# Altium PCB STM32F427IIH6.PcbDoc (part 2 of 3)
Units mil, origin at the board's own origin, x right, y up, seen from the top; angles counter-clockwise.
Board outline 2283.46 x 3346.46 mil, 4 copper layers (Top Layer, GND, PWR, Bottom Layer), stack 23.756 mil thick; 202 components, 172 nets, 878 pads, 536 vias.
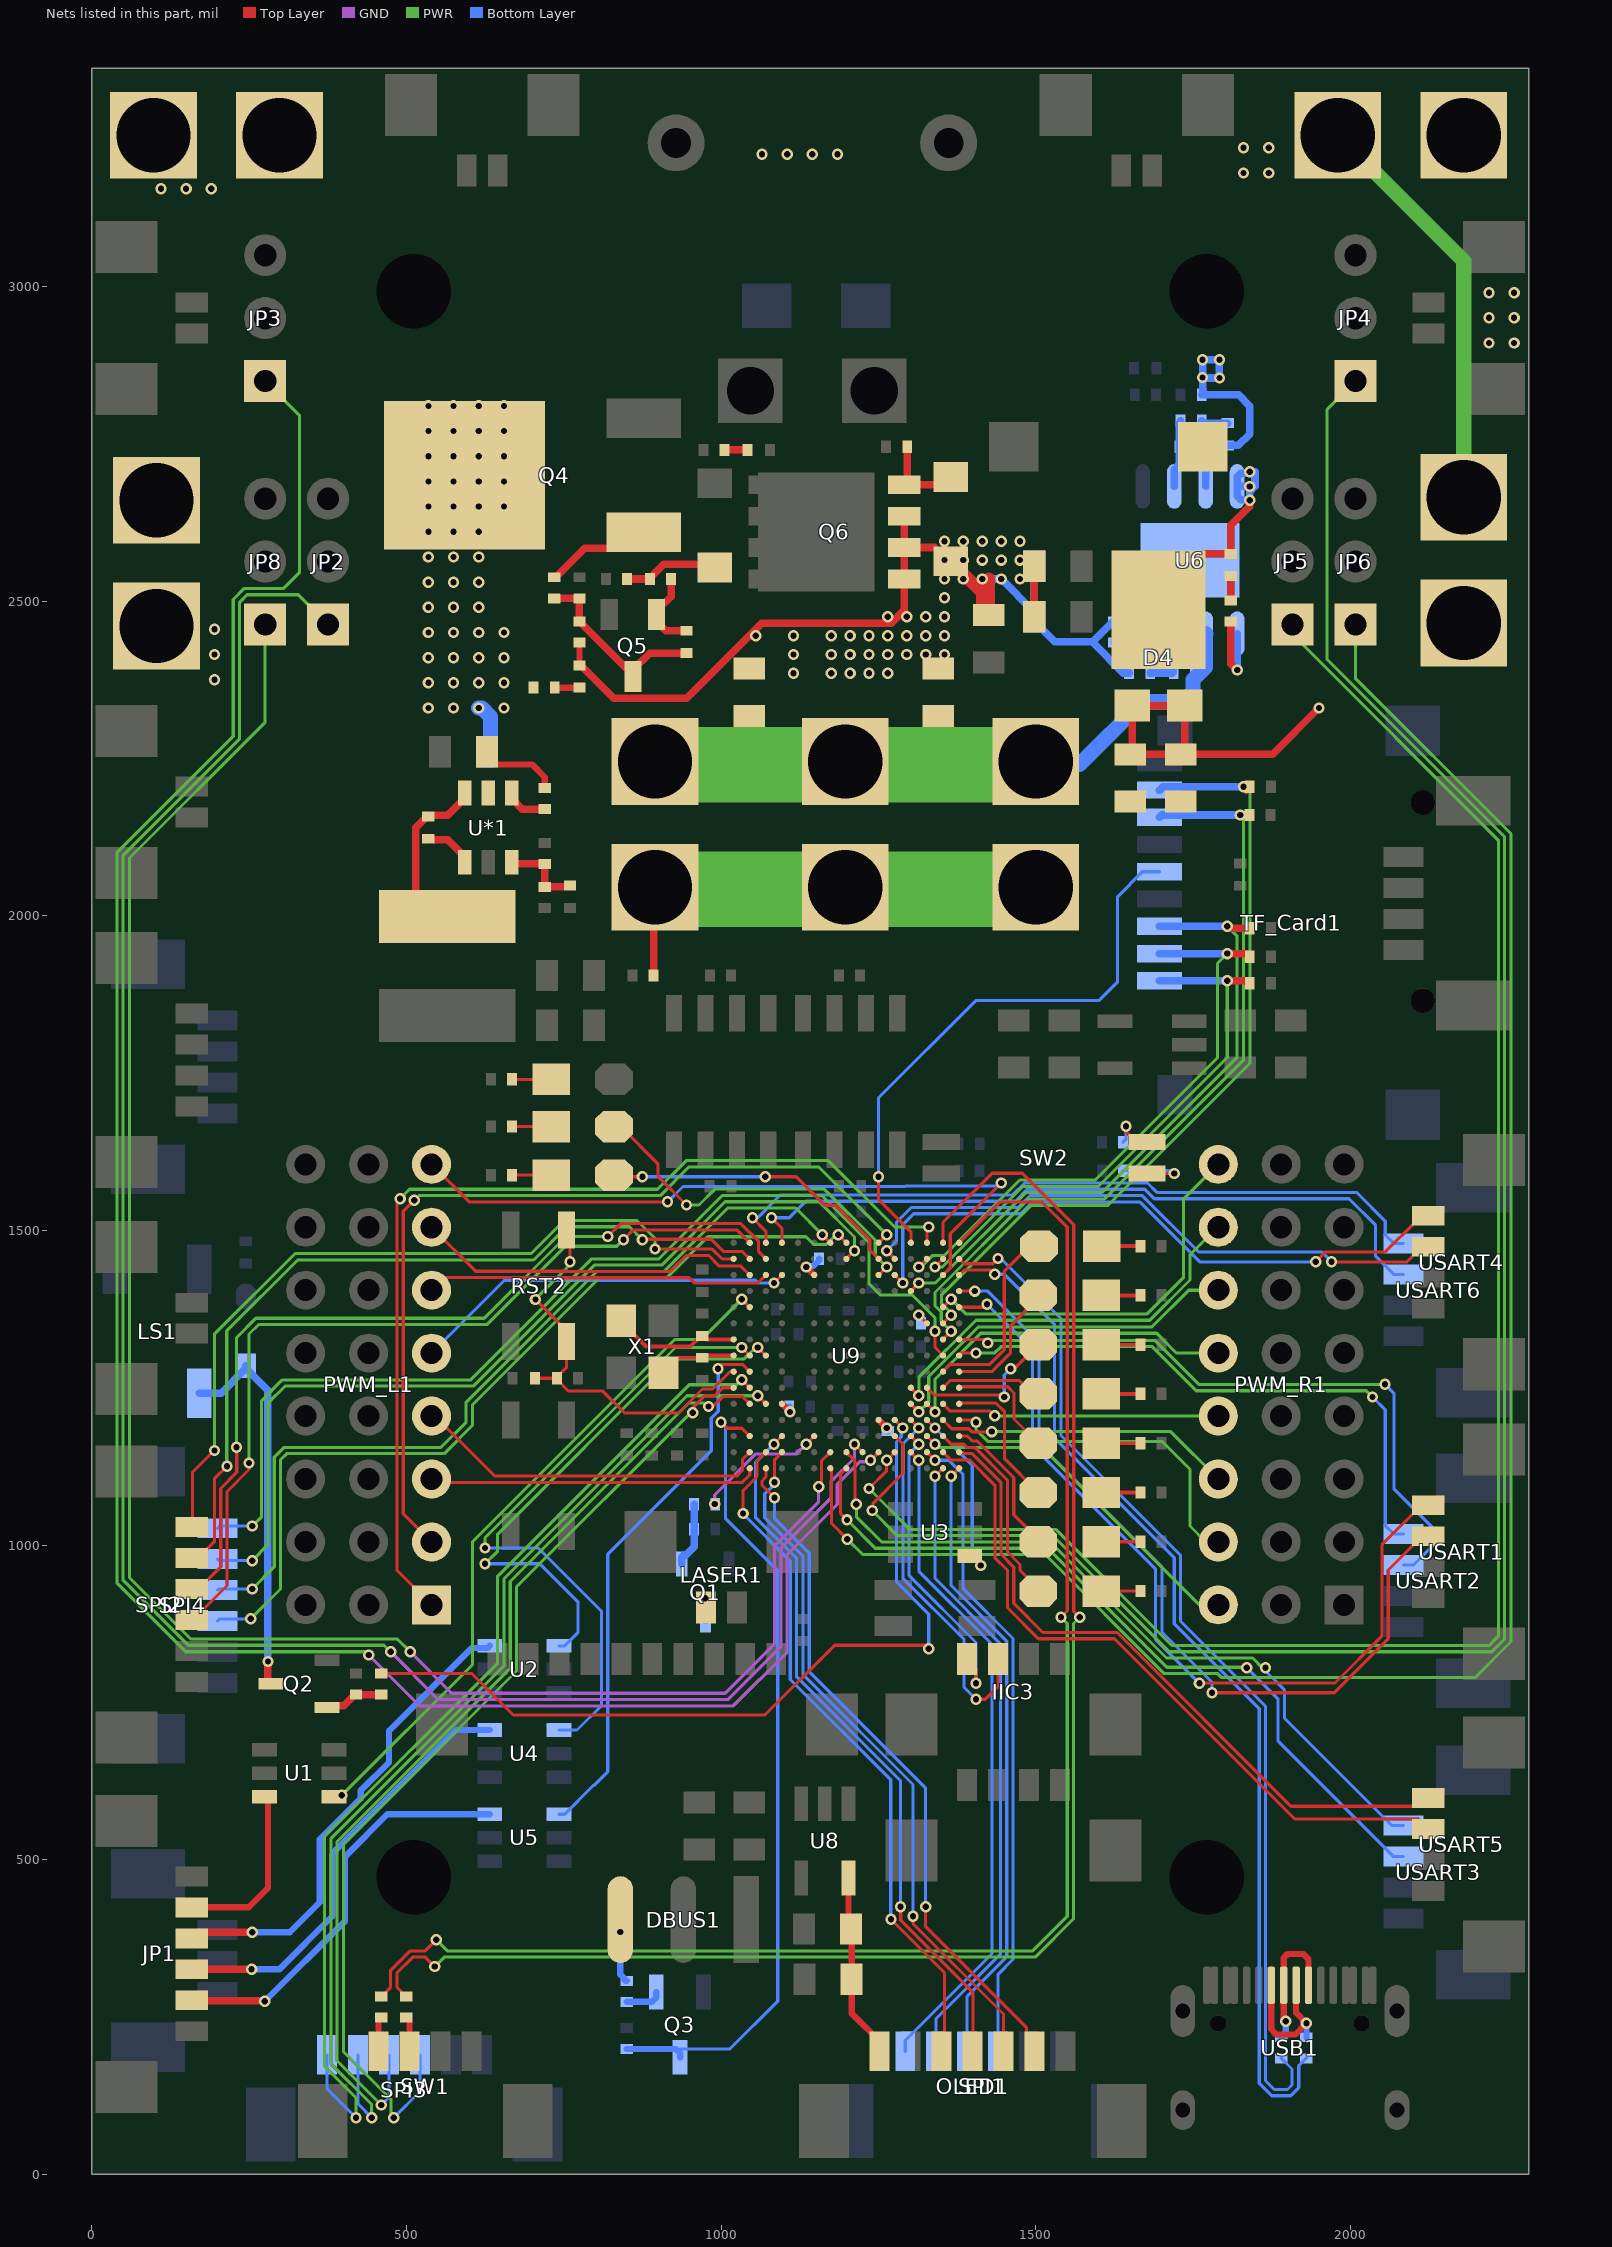
[diagram p4: the nets of this part, all layers, seen from the top]

## Via types
v1: diameter 18, hole 10, Top Layer to Bottom Layer, tented both sides, 536 vias

## Nets (pads, with @x,y where several pads share a name; then routed paths per layer and width w, separated by ;. In a path a pad name is that pad's centre, name@x,y a point inside that pad or via, vN(x,y) a via of type N, cw(c..) or ccw(c..) an arc to the next point about the centre after c; other vN are vias at no path point) (continued)
I2C3_SCL/PH7: IIC3.1 U9.N12 | length 493.3
  Top Layer w5: U9.N12@1301.5,1173.23 v1(1314.29,1160.43) ; IIC3.1@1390.64,819 1405,804.64 v1(1405,780.32)
  Bottom Layer w5: v1(1314.29,1160.43) 1298.79,1144.93 1298.79,951.52 1405,845.31 v1(1405,780.32)
I2C3_SDA/PH8: IIC3.2 U9.M12 | length 595
  Top Layer w5: U9.M12@1301.5,1198.82 v1(1314.29,1186.02) ; v1(1405,755) 1420,755 1439.85,774.85 IIC3.2@1439.85,819
  Bottom Layer w5: v1(1314.29,1186.02) 1288.79,1160.52 1288.79,947.38 1386.2,849.97 1386.2,773.8 v1(1405,755)
LASER(PF13): R11.1 U9.N6 | length 211
  Top Layer w5: v1(1135.16,1160.43) U9.N6@1147.95,1173.23
  GND w5: v1(990,1065.31) 990,1079.55 1055.38,1144.93 1119.66,1144.93 v1(1135.16,1160.43)
LED/PD10: LED2.2 U9.N15 | length 232.3
  Top Layer w5: U9.N15@1378.27,1173.23 1391.02,1173.23 1398.94,1165.31 1407.11,1165.31 1465,1107.43 1465,1048.25 1504,1009.25 LED2.2@1504,1005.29
LED/PD11: LED1.2 U9.N14 | length 327.9
  Top Layer w5: U9.N14@1352.68,1173.23 1365.59,1160.31 1385.54,1160.31 1390.54,1155.31 1402.97,1155.31 1455,1103.28 1455,989.14 1475,969.14 1475,959.96 1504,930.96 LED1.2@1504,927
LED/PG2: LED3.2 U9.L15 | length 229
  Top Layer w5: U9.L15@1378.27,1224.41 1379.67,1225.81 1436.42,1225.81 1450.5,1211.74 1450.5,1137.07 LED3.2@1504,1083.57
LED/PG3: LED4.2 U9.K15 | length 187.7
  Top Layer w5: U9.K15@1378.27,1250 1379.77,1251.5 1455.74,1251.5 1465.5,1241.74 1465.5,1200.36 LED4.2@1504,1161.86
LED/PG4: LED5.2 U9.K14 | length 164.9
  Top Layer w5: U9.K14@1352.68,1250 1364.18,1261.5 1473.81,1261.5 1495.17,1240.14 LED5.2@1504,1240.14
LED/PG5: LED6.2 U9.K13 | length 237.9
  Top Layer w5: U9.K13@1327.09,1250 1338.59,1238.5 1446.81,1238.5 v1(1450,1235.31) ; v1(1460,1280.31) 1465.89,1280.31 LED6.2@1504,1318.43
  Bottom Layer w5: v1(1450,1235.31) 1450,1270.31 v1(1460,1280.31)
LED/PG6: LED7.2 U9.J15 | length 203.7
  Top Layer w5: U9.J15@1378.27,1275.59 1430.28,1275.59 1460,1305.31 1460,1348.75 1504,1392.75 LED7.2@1504,1396.71
LED/PG7: LED8.2 U9.J14 | length 308.1
  Top Layer w5: U9.J14@1352.68,1275.59 1364.18,1287.09 1426.78,1287.09 1450,1310.31 1450,1423.39 1450.5,1423.89 1450.5,1435.81 1489.69,1475 LED8.2@1505,1475
LED/PG9: LED9.2 U9.C10 | length 590.6
  Top Layer w5: LED9.2@830,1665 840.31,1665 900,1605.31 900,1585.31 v1(945,1540.31) ; U9.C10@1250.31,1429.13 v1(1263.11,1441.93)
  PWR w5: v1(945,1540.31) 965,1540.31 990.19,1565.5 1164.15,1565.5 1245,1484.65 1245,1460.04 v1(1263.11,1441.93)
LED/PG10: LED10.2 U9.B10 | length 485
  Top Layer w5: LED10.2@830,1587.82 832.5,1585.31 v1(875,1585.31) ; v1(1070,1585.31) 1119.69,1585.31 1165,1540 1181.3,1540 1236.22,1485.08 1236.22,1468.82 U9.B10@1250.31,1454.72
  Bottom Layer w5: v1(875,1585.31) v1(1070,1585.31)
LEVEL5V/PF0: U1.4 U9.E2 | length 1094.4
  Top Layer w5: v1(1032.79,1390.75) U9.E2@1045.59,1377.95
  PWR w5: v1(397.5,602.5) 605,810 605,1005.52 925.96,1326.48 968.52,1326.48 v1(1032.79,1390.75)
LEVEL5V/PF1: U2.4 U9.H3 | length 869.7
  Top Layer w5: v1(1058.39,1313.98) U9.H3@1071.18,1301.18
  PWR w5: v1(625,970.31) 645,990.31 645,1017.24 923.58,1295.81 1036.55,1295.81 1049.88,1309.14 1050.04,1309.14 1054.87,1313.98 v1(1058.39,1313.98)
  Bottom Layer w5: v1(625,970.31) 712.19,970.31 772.5,910 772.5,860.93 751.48,839.9 U2.4@742.62,839.9
LEVEL5V/PF2: U4.4 U9.H2 | length 1027.3
  Top Layer w5: v1(1032.79,1313.98) U9.H2@1045.59,1301.18
  PWR w5: v1(625,995.31) 625,1011.38 927.6,1313.98 v1(1032.79,1313.98)
  Bottom Layer w5: v1(625,995.31) 709.69,995.31 810,895 810,745 771.15,706.15 U4.4@742.62,706.15
LEVEL5V/PF3: U5.4 U9.J2 | length 876.8
  Top Layer w5: v1(995,1280.31) 1001.78,1287.09 1034.09,1287.09 U9.J2@1045.59,1275.59
  Bottom Layer w5: U5.4@742.62,572.4 751.48,572.4 797.28,618.2 798.2,618.2 820,640 820,985.31 984.5,1149.81 984.5,1201.74 995.5,1212.74 995.5,1279.81 v1(995,1280.31)
Net1_1: 1.1 R45.2 | length 62.3
  Top Layer w5: R45.2@667.71,1740 1.1@730,1740
NetC7_1: C7.1 Q5.3 R28.1 R29.1 R33.2 | length 296.6
  Top Layer w12: R28.1@735,2504.25 R29.1@775,2504.25 775,2465.75 776.97,2465.75 855.95,2386.77 860,2382.72 Q5.3@860,2380 ; Q5.3@860,2390.83 886.46,2417.28 C7.1@945,2417.28
NetC7_2: C7.2 Q5.1 R31.1 | length 134
  Top Layer w12: R31.1@920.75,2535 920.75,2507.16 910.6,2497.01 905.18,2497.01 897.4,2489.23 Q5.1@897.4,2478.4 897.4,2467.57 912.26,2452.71 C7.2@945,2452.71
NetC8_2: C8.2 R27.1 | length 36.5
  Top Layer w12: R27.1@1005.75,2740 C8.2@1042.29,2740
NetC9_2: C9.2 R30.1 | length 39.3
  Top Layer w10: R30.1@735.75,2362.5 735.86,2362.39 774.89,2362.39 C9.2@775,2362.29
NetC10_1: C10.1 R34.1 | length 38.8
  Top Layer w12: R34.1@1810,2500.75 C10.1@1810,2539.57
NetC10_2: C10.2 D4.3 L1.1 U6.8 | length 421.5
  Top Layer w12: D4.3@1695,2486.1 1755,2546.1 1755,2562.67 1767.33,2575 C10.2@1810,2575 1810,2620.37 1840,2650.37 v1(1840,2660)
  Bottom Layer w12: U6.8@1820,2682 v1@1848.31,2682 ; U6.8@1820,2682 1820,2666.35 1825.37,2660.98 1839.02,2660.98 v1(1840,2660) 1840,2673.69 v1@1848.31,2682 ; U6.8@1820,2682 1820,2697.65 1825.37,2703.02 1846.02,2703.02 1848.31,2705.31 v1@1848.31,2682
  other v1: 1840,2682 1840,2705.31
NetC17_1: C17.1 R37.1 | length 43.7
  Bottom Layer w12: R37.1@1763.69,2786.25 1763.69,2784.59 1765.57,2782.72 C17.1@1805,2782.72
NetC20_1: C20.1 R37.2 U6.6 | length 108.5
  Bottom Layer w12: U6.6@1720,2682 1720,2708.77 1728.26,2717.03 C20.1@1728.26,2745 1728.26,2782.32 1730.23,2784.28 R37.2@1730.23,2786.25
NetC21_1: C21.1 U*1.1 | length 78.3
  Top Layer w12: C21.1@535,2122.28 536.87,2120.41 565.93,2120.41 592.6,2093.74 U*1.1@592.6,2084.88
NetC21_2: C21.2 L2.1 U*1.6 | length 275.2
  Top Layer w12: L2.1@565,1998.74 551.48,1998.74 515.16,2035.06 515.16,2139.84 533.03,2157.71 C21.2@535,2157.71 536.88,2159.59 565.92,2159.59 592.6,2186.26 U*1.6@592.6,2195.12
NetC22_1: C22.1 R43.1 R44.2 U*1.3 | length 131
  Top Layer w12: U*1.3@667.4,2084.88 670,2082.29 R44.2@720,2082.29 720,2050.75 R43.1@720,2045.75 756.07,2045.75 758.03,2047.72 C22.1@760,2047.72
NetC52_1: C52.1 U9.M10 | length 23.8
  Top Layer w10: U9.M10@1250.31,1198.82 v1(1263.11,1186.02)
  Bottom Layer w10: v1(1263.11,1186.02) 1265,1184.13 C52.1@1265,1181.1
NetC53_1: C53.1 U9.F13 | length 18.1
  Top Layer w5: v1(1314.29,1365.16) U9.F13@1327.09,1352.36
NetD1_1: D1.1 LS1.2 Q2.3 | length 612
  Top Layer w12: v1(280,815) 280,784.07 Q2.3@284.47,779.6
  Bottom Layer w12: LS1.2@170.96,1241.58 205.64,1241.58 D1.1@245,1280.94 ; D1.1@245,1284.88 D1.1@245,1280.94 ; v1(280,815) 280,1245.94 D1.1@245,1280.94
NetD2_1: D2.1 R26.1 R31.2 | length 152.2
  Top Layer w12: R26.1@850.75,2535 R31.2@887.29,2535 887.29,2536.97 908.63,2558.31 984.76,2558.31 D2.1@990,2553.07
NetD3_1: D3.1 Q6.4 R32.1 | length 140.9
  Top Layer w12: R32.1@1295.75,2745 1295.75,2689.75 Q6.4@1291,2685 1353.07,2685 D3.1@1365,2696.93
NetDBUS1_3: DBUS1.3 R13.2 | length 112.9
  Top Layer w10: v1(840,385.31) DBUS1.3@840,405 DBUS1.3@840,415.31
  Bottom Layer w10: v1(840,385.31) 840,317.71 845.15,312.56 845.15,310.59 848.03,307.71 R13.2@850,307.71
NetJP1_2: JP1.2 U1.3 | length 281.1
  Top Layer w10: JP1.2@159,424.36 249.36,424.36 280,455 280,594.77 U1.3@274.58,600.2
NetJP1_3: JP1.3 U2.3 | length 761.1
  Top Layer w12: JP1.3@159,375.15 168.85,385 v1(255,385)
  Bottom Layer w10: v1(255,385) 315,385 362.5,432.5 362.5,532.5 427.5,597.5 427.5,610 472.5,655 472.5,705 604.03,836.53 629.01,836.53 U2.3@632.38,839.9
NetJP1_4: JP1.4 U4.3 | length 689.5
  Top Layer w12: JP1.4@159,325.94 v1(254.06,325.94)
  Bottom Layer w10: v1(254.06,325.94) 298.44,325.94 382.5,410 382.5,510 578.65,706.15 U4.3@632.38,706.15
NetJP1_5: JP1.5 U5.3 | length 657.3
  Top Layer w12: JP1.5@159,276.72 159.72,276 274,276 v1(275,275)
  Bottom Layer w10: v1(275,275) 402.5,402.5 402.5,505 469.9,572.4 U5.3@632.38,572.4
NetLASER1_2: LASER1.2 Q1.3 | length 49.3
  Top Layer w12: v1(975,915.31) 975,901.94 LASER1.2@975.94,901
  Bottom Layer w12: Q1.3@975,880.71 v1(975,915.31)
NetLED1_1: LED1.1 R16.2 | length 62.5
  Top Layer w5: LED1.1@1604,927 R16.2@1666.54,927
NetLED2_1: LED2.1 R17.2 | length 62.5
  Top Layer w6: LED2.1@1604,1005.29 R17.2@1666.54,1005.29
NetLED3_1: LED3.1 R18.2 | length 62.5
  Top Layer w6: LED3.1@1604,1083.57 R18.2@1666.54,1083.57
NetLED4_1: LED4.1 R19.2 | length 62.5
  Top Layer w6: LED4.1@1604,1161.86 R19.2@1666.54,1161.86
NetLED5_1: LED5.1 R20.2 | length 62.5
  Top Layer w6: LED5.1@1604,1240.14 R20.2@1666.54,1240.14
NetLED6_1: LED6.1 R21.2 | length 62.5
  Top Layer w6: LED6.1@1604,1318.43 R21.2@1666.54,1318.43
NetLED7_1: LED7.1 R22.2 | length 62.5
  Top Layer w6: LED7.1@1604,1396.71 R22.2@1666.54,1396.71
NetLED8_1: LED8.1 R23.2 | length 61.5
  Top Layer w6: LED8.1@1605,1475 R23.2@1666.54,1475
NetLED9_1: LED9.1 R24.2 | length 62.3
  Top Layer w5: R24.2@667.71,1665 LED9.1@730,1665
NetLED10_1: LED10.1 R25.2 | length 62.3
  Top Layer w5: R25.2@667.71,1587.82 LED10.1@730,1587.82
NetQ1_1: Q1.1 R11.2 R14.2 | length 105.1
  Bottom Layer w12: Q1.1@937.6,970 937.6,980.83 940.46,983.69 943.82,983.69 957.29,997.15 R14.2@957.29,1025 R11.2@957.29,1065
NetQ2_1: Q2.1 R12.2 R15.2 | length 94.6
  Top Layer w12: Q2.1@373.76,742.19 376.62,745.05 400.79,745.05 418.03,762.29 R15.2@420,762.29 R12.2@460,762.29
NetQ3_1: Q3.1 R13.1 | length 58.8
  Bottom Layer w10: R13.1@850,274.25 890.19,274.25 897,281.06 Q3.1@897,290
NetQ4_1: Q4.1 R28.2 | length 172.1
  Top Layer w12: R28.2@735,2537.71 736.97,2537.71 783.23,2583.97 851.9,2583.97 Q4.1@877.4,2609.47
NetR34_2: R34.2 U6.1 | length 138.8
  Top Layer w12: R34.2@1810,2467.29 1810,2400.32 v1(1820,2390.32)
  Bottom Layer w12: v1(1820,2390.32) U6.1@1820,2448
NetR36_1: R36.1 R40.2 U6.3 | length 98.9
  Bottom Layer w12: R40.2@1681.84,2385.59 1717.13,2385.59 1718.56,2387.03 1718.56,2446.56 U6.3@1720,2448
NetR38_1: R38.1 U6.4 | length 55.6
  Bottom Layer w12: R38.1@1625,2434.25 1664.63,2434.25 1670,2439.62 U6.4@1670,2448
NetR42_1: R42.1 U*1.4 | length 68.5
  Top Layer w12: U*1.4@667.4,2195.12 667.4,2186.26 684.41,2169.25 R42.1@720,2169.25
NetR46_1: R46.1 SW1.1 | length 56.3
  Top Layer w10: SW1.1@455.62,195.65 455.62,246.37 458.49,249.25 R46.1@459.98,249.25
NetR47_1: R47.1 SW1.2 | length 56.8
  Top Layer w10: R47.1@499.98,249.25 501.95,249.25 504.83,246.37 SW1.2@504.83,195.65
NetR50_1: R50.1 SW2.4 | length 75.9
  Top Layer w5: v1(1643.24,1665.31) 1643.24,1656.76 1659.69,1640.31 SW2.4@1676.47,1640.31
  Bottom Layer w5: R50.1@1638.46,1640 1643.24,1644.77 v1(1643.24,1665.31)
NetR52_1: R52.1 SW2.3 | length 127
  Top Layer w5: SW2.3@1676.47,1590.32 v1(1720,1590.32)
  Bottom Layer w5: R52.1@1638.46,1595 1711.8,1595 1716.48,1590.32 v1(1720,1590.32)
NetR53_2: R53.2 U9.C6 | length 45.2
  Top Layer w10: v1(1135.16,1441.93) U9.C6@1147.95,1429.13
  Bottom Layer w10: v1(1135.16,1441.93) 1136.69,1443.46 1146.54,1443.46 1155.83,1452.75 R53.2@1155.83,1454.72
NetR54_2: R54.2 U9.L4 | length 28.8
  Top Layer w10: U9.L4@1096.77,1224.41 v1(1109.57,1211.61)
  Bottom Layer w10: R54.2@1108.27,1220 1109.57,1218.7 v1(1109.57,1211.61) 1110,1211.18 v1@1110,1210
NRST: C55.1 R48.1 RST2.1 U9.J1 | length 654.5
  Top Layer w5: C55.1@704.21,1265 R48.1@739.25,1265 ; v1(705,1390.31) 743.01,1352.3 743.01,1334.81 RST2.1@754.29,1323.53 754.29,1282.01 739.25,1266.97 R48.1@739.25,1265 ; RST2.1@754.29,1500.69 760,1494.98 v1(760,1450.31) ; U9.J1@1020,1275.59 1014.21,1275.59 986.54,1247.91 970.47,1247.91 932.37,1209.81 846.98,1209.81 812.18,1244.61 757.67,1244.61 739.25,1263.03 R48.1@739.25,1265
  PWR w5: v1(705,1390.31) 760,1445.31 v1(760,1450.31)
OLED_CLK/PA5: OLED1.5 U9.P4 | length 1120.3
  Top Layer w5: v1(1085,1100) 1085,1135.87 U9.P4@1096.77,1147.64 ; v1(1305,410.31) 1305,398.6 1448.67,254.93 OLED1.5@1448.67,195.65
  Bottom Layer w5: v1(1085,1100) 1085,1096.92 1069.5,1081.42 1069.5,1043.24 1130,982.74 1130,794.66 1305,619.66 v1(1305,410.31)
OLED_DC/PA4: OLED1.4 U9.N4 | length 1142.1
  Top Layer w5: v1(1083.98,1160.43) U9.N4@1096.77,1173.23 ; v1(1285,425.31) 1285.5,424.81 1285.5,403.96 1400,289.46 1400,205.11 1395,200.11 OLED1.4@1399.46,195.65
  Bottom Layer w5: v1(1083.98,1160.43) 1054.5,1130.96 1054.5,1044.1 1120,978.6 1120,790.52 1285,625.52 v1(1285,425.31)
OLED_MOSI/PA7: OLED1.6 U9.R3 | length 1108.3
  Top Layer w5: U9.R3@1071.18,1122.05 1071.18,1108.1 1065,1101.92 1065,1095 v1(1085,1075) ; v1(1325,425.31) 1325,393.78 1485.07,233.72 1485.07,225.25 1497.88,212.43 OLED1.6@1497.88,195.65
  Bottom Layer w5: v1(1085,1075) 1085,1041.88 1140,986.88 1140,798.8 1325,613.8 v1(1325,425.31)
OLED_RST/PA6: OLED1.3 U9.P3 | length 1105.8
  Top Layer w5: v1(1035,1050.31) 1035,1086.71 1057.09,1108.8 1057.09,1133.55 U9.P3@1071.18,1147.64 ; v1(1270,405.31) 1355,320.31 1355,210.9 1345,200.9 OLED1.3@1350.24,195.65
  Bottom Layer w5: v1(1035,1050.31) 1035,1049.46 1110,974.46 1110,786.38 1269.5,626.88 1269.5,405.81 v1(1270,405.31)
OSC_IN: C56.1 U9.G1 X1.3 | length 205.9
  Top Layer w6: X1.3@841.54,1356.34 841.54,1354.37 880.59,1315.31 951.06,1315.31 968.03,1332.28 C56.1@970,1332.28 975.51,1326.77 U9.G1@1020,1326.77
OSC_OUT: C59.1 U9.H1 X1.1 | length 122.9
  Top Layer w6: X1.1@908.46,1273.66 932.52,1297.72 C59.1@970,1297.72 971.97,1297.72 975.43,1301.18 U9.H1@1020,1301.18
PF14: JP6.1 U9.R7 | length 3011.3
  Top Layer w5: U9.R7@1173.54,1122.05 1175.5,1120.09 1175.5,1034.5 v1(1200.64,1009.36)
  PWR w5: v1(1200.64,1009.36) 1225,985 1515,985 1704.19,795.81 1789.24,795.81 1795.56,789.5 2197.78,789.5 2255,846.72 2255,881.72 2255,2130 2007.87,2377.13 JP6.1@2007.87,2462.64
PF15: JP8.1 U9.P7 | length 3078.6
  Top Layer w5: v1(1155,1092.5) 1155,1095.31 1159.45,1099.77 1159.45,1133.55 U9.P7@1173.54,1147.64
  GND w5: v1(505.96,830.31) 571.78,764.5 1006.42,764.5 1085,843.08 1085,999.14 1155,1069.14 v1(1155,1092.5)
  PWR w5: JP8.1@275.59,2462.64 275.59,2307.31 60,2091.72 60,948.28 157.47,850.81 485.46,850.81 v1(505.96,830.31)
PGND: C5.2 C6.2 C9.1 C11.1 C13.1 C14.1 C15.1 C16.1 C17.2 C18.1 C19.1 C20.2 D3.2 D4.1 D4.2 Q6.1 Q6.2 Q6.3 R33.1 R38.2 R39.1 R40.1 R41.2 U6.7 U6.9 VCC1.1 VCC2.1 VCC3.1 VCC4.1 VCC5.1 VCC6.1 VCC7.1 | length 3394
  Top Layer w10: C9.1@775.01,2397.72 R33.1@775,2434.25
  Top Layer w12: C9.1@775.01,2397.72 776.97,2397.72 829.3,2345.39 945.39,2345.39 1065,2465 1270,2465 1291,2486 Q6.1@1291,2535 Q6.2@1291,2585 ; R41.2@892.71,1905 892.71,2042.71 VCC3.1@895,2045 ; Q6.3@1291,2635 Q6.2@1291,2585 ; D3.2@1365,2563.07 1361.06,2563.07 1339.13,2585 Q6.2@1291,2585 ; C15.1@1497.6,2475 C11.1@1497.6,2555 ; v1(1950,2330) 1876.48,2256.48 C18.1@1730,2256.48 ; C18.1@1730,2256.48 1736.6,2263.08 D4.2@1736.6,2333.9 D4.1@1653.4,2333.9 1653.4,2259.88 C19.1@1650,2256.48 C18.1@1730,2256.48
  Top Layer w20: D3.2@1365,2563.07 1368.94,2563.07 1382.56,2549.45 1382.56,2545.51 1414.88,2513.19 1414.88,2482.52 C13.1@1420,2477.4 ; C13.1@1425,2477.4 1425,2535
  PWR w12: VCC5.1@1478.29,2041.71 VCC5.1@1480,2040
  PWR w120: VCC3.1@930.05,2041.71 VCC5.1@1478.29,2041.71
  Bottom Layer w12: v1(1415,2535) v1(1445,2535) 1445.1,2535 C16.1@1497.6,2482.5 ; C14.1@1497.6,2555 C16.1@1497.6,2482.5 ; R40.1@1648.38,2385.59 1639.17,2385.59 1590.31,2434.44 1590.31,2435 ; U6.9@1745,2565 1691.95,2511.95 1671.2,2511.95 1626.97,2467.71 1623.03,2467.71 1590.31,2435 ; v1@1765.65,2854.35 v1(1791.84,2854.35) v1(1791.84,2883.16) v1(1765,2883.16) v1(1765,2855) 1765,2828.81 R39.1@1763.69,2827.5 1822.19,2827.5 1840,2809.69 1840,2765.31 1821.97,2747.29 C17.2@1805,2747.29 1803.03,2747.29 1800.75,2745 C20.2@1763.69,2745 1763.69,2743.03 1770,2736.73 U6.7@1770,2682 ; C16.1@1497.6,2467.5 C16.1@1497.6,2482.5 ; C16.1@1497.6,2467.5 1530.1,2435 1590.31,2435 ; C16.1@1497.6,2467.5 C16.1@1497.6,2475 C16.1@1497.6,2482.5
  other v1: 1115,2385 1175,2385 1205,2385 1235,2385 1265,2385 1115,2415 1175,2415 1205,2415 1235,2415 1265,2415 1295,2415 1325,2415 1355,2415 1055,2445 1115,2445 1175,2445 1205,2445 1235,2445 1265,2445 1295,2445 1325,2445 1355,2445 1265,2475 1295,2475 1325,2475 1355,2475 1355,2505 1355,2535 1385,2535 1475,2535 1355,2565 1385,2565 1415,2565 1445,2565 1475,2565 1355,2595 1385,2595 1415,2595 1445,2595 1475,2595 1065,3210 1105,3210 1145,3210 1185,3210
PVIN: C5.1 C6.1 C18.2 C19.2 C25.2 C26.2 Q4.2 R30.2 R36.2 R42.2 U6.2 U*1.5 VCC1.2 VCC2.2 VCC3.2 VCC4.2 VCC5.2 VCC6.2 VCC7.2 | length 1839.9
  Top Layer w10: C26.2@628.4,2260.31 628.4,2252.81 640.9,2240.31 699.69,2240.31 720,2220 R42.2@720,2202.71
  PWR w24: VCC1.2@1980,3240 2180,3040 VCC6.2@2180,2665
  PWR w120: VCC3.2@930.05,2241.71 931.76,2240 VCC5.2@1480,2240
  Bottom Layer w24: v1(615,2330) 620,2330 633.9,2316.1 633.9,2265.82 C25.2@628.4,2260.32 ; VCC5.2@1480,2240 1569.69,2240 1669.69,2340 1734.69,2340 1750,2355.31 1750,2375 1769.81,2394.81 1769.81,2447.81 U6.2@1770,2448
  other v1: 535,2330 575,2330 655,2330 535,2370 575,2370 615,2370 655,2370 195,2375 535,2410 575,2410 615,2410 655,2410 195,2415 535,2450 575,2450 615,2450 655,2450 195,2455 535,2490 575,2490 615,2490 535,2530 575,2530 615,2530 535,2570 575,2570 615,2570 535,2610 575,2610 615,2610 535,2650 575,2650 615,2650 655,2650 535,2690 575,2690 615,2690 655,2690 535,2730 575,2730 615,2730 655,2730 535,2770 575,2770 615,2770 655,2770 535,2810 575,2810 615,2810 655,2810 2220,2910 2260,2910 2220,2950 2260,2950 2220,2990 2260,2990 110,3155 150,3155 190,3155 1830,3180 1870,3180 1830,3220 1870,3220
SDIO_CLK(PC12): TF_Card1.5 U9.A12 | length 926.1
  Top Layer w5: v1(1250,1585.31) 1250,1549.46 1301.5,1497.96 U9.A12@1301.5,1480.31
  Bottom Layer w5: v1(1250,1585.31) 1250,1710.31 1404.69,1865 1600,1865 1630,1895 1630,2030.31 1669.41,2069.72 TF_Card1.5@1696.61,2069.72
SDIO_CMD(PD2): R4.2 TF_Card1.3 U9.D12 | length 1031.3
  Top Layer w5: U9.D12@1301.5,1403.54 v1(1314.29,1416.34)
  Top Layer w12: v1(1804.33,1983.11) 1805.95,1983.11 1809.06,1980 R4.2@1840,1980
  PWR w5: v1(1314.29,1416.34) 1340.17,1416.34 1483.83,1560 1604.69,1560 1819.83,1775.15 1819.83,1967.61 v1(1804.33,1983.11)
  Bottom Layer w12: TF_Card1.3@1696.61,1983.11 v1(1804.33,1983.11)
SDIO_D0(PC8): R5.2 TF_Card1.7 U9.G14 | length 1269.9
  Top Layer w5: U9.G14@1352.68,1326.77 v1(1365.47,1339.57)
  Top Layer w12: v1(1824.81,2160) R5.2@1840,2160
  PWR w5: v1(1365.47,1339.57) 1349.88,1355.16 1349.88,1370.28 1339.97,1380.19 1339.97,1401.31 1488.66,1550 1609.69,1550 1829.83,1770.15 1829.83,2154.98 v1(1824.81,2160)
  Bottom Layer w12: TF_Card1.7@1696.61,2156.34 1700.28,2160 v1(1824.81,2160)
SDIO_D1(PC9): R6.2 TF_Card1.8 U9.F14 | length 1293.6
  Top Layer w5: U9.F14@1352.68,1352.36 v1(1365.47,1365.16)
  Top Layer w12: v1(1830,2205) 1830,2204.29 1834.65,2199.65 R6.2@1840,2205
  PWR w5: v1(1365.47,1365.16) 1365.47,1368.83 1349.97,1384.33 1349.97,1397.17 1492.8,1540 1614.69,1540 1840.31,1765.62 1840.31,2194.69 v1(1830,2205)
  Bottom Layer w12: TF_Card1.8@1696.61,2199.65 1701.97,2205 v1(1830,2205)
SDIO_D2(PC10): R2.2 TF_Card1.1 U9.B14 | length 888.3
  Top Layer w5: v1(1339.88,1441.93) U9.B14@1352.68,1454.72
  Top Layer w12: v1(1804.33,1896.5) 1833.51,1896.5 R2.2@1840,1890
  PWR w5: v1(1339.88,1441.93) 1351.61,1441.93 1479.69,1570 1599.69,1570 1804.33,1774.65 v1(1804.33,1896.5)
  Bottom Layer w12: TF_Card1.1@1696.61,1896.5 v1(1804.33,1896.5)
SDIO_D3(PC11): R3.2 TF_Card1.2 U9.B13 | length 947.7
  Top Layer w5: v1(1314.29,1441.93) U9.B13@1327.09,1454.72
  Top Layer w12: v1(1804.33,1939.8) 1835.2,1939.8 R3.2@1840,1935
  PWR w5: v1(1314.29,1441.93) 1317.96,1441.93 1336.35,1460.31 1355,1460.31 1474.69,1580 1594.69,1580 1788.83,1774.15 1788.83,1924.3 v1(1804.33,1939.8)
  Bottom Layer w12: TF_Card1.2@1696.61,1939.8 v1(1804.33,1939.8)
SPI2_MISO/PB14: SPI1.5 U9.R14 | length 1017
  Top Layer w5: v1(1339.88,1109.25) U9.R14@1352.68,1122.05
  Bottom Layer w5: v1(1339.88,1109.25) 1339.88,947.15 1443.8,843.23 1443.8,349.97 1341.72,247.9 SPI1.5@1341.72,195.65
SPI2_MOSI/PB15: SPI1.4 U9.R15 | length 994.3
  Top Layer w5: v1(1365.47,1109.25) U9.R15@1378.27,1122.05
  Bottom Layer w5: v1(1365.47,1109.25) 1365.47,935.7 1453.8,847.37 1453.8,345.83 1390.94,282.97 SPI1.4@1390.94,195.65
SPI2_NSS/PB12: SPI1.6 U9.P12 | length 1062.6
  Top Layer w5: U9.P12@1301.5,1147.64 v1(1314.29,1134.84)
  Bottom Layer w5: SPI1.6@1292.51,195.65 1292.51,212.83 1430.5,350.81 1430.5,842.39 1314.29,958.6 v1(1314.29,1134.84)
SPI2_SCK/PB13: SPI1.3 U9.P13 | length 1031.2
  Top Layer w5: U9.P13@1327.09,1147.64 v1(1339.88,1134.84)
  Bottom Layer w5: v1(1339.88,1134.84) 1361.8,1134.84 1384.5,1112.14 1384.5,930.81 1463.8,851.51 1463.8,341.69 1440.15,318.04 SPI1.3@1440.15,195.65
SPI4_CLK/PE2: SPI2.4 U9.A2 | length 1365.5
  Top Layer w5: SPI2.4@159,880.94 160.32,880.94 215,935.62 215,1085 250,1120 v1(250,1130.31) ; v1(845,1485.31) 860.5,1500.81 1025.09,1500.81 U9.A2@1045.59,1480.31
  PWR w5: v1(250,1130.31) 250,1335.31 265,1350.31 627.74,1350.31 752.24,1474.81 834.5,1474.81 v1(845,1485.31)
SPI4_MISO/PE5: SPI2.2 U9.B2 | length 1311.5
  Top Layer w5: SPI2.2@159,979.36 169.05,979.36 195,1005.31 195,1105.31 v1(215,1125.31) ; v1(875,1485.31) 875.5,1485.81 984.5,1485.81 1004.09,1466.22 1034.09,1466.22 U9.B2@1045.59,1454.72
  PWR w5: v1(215,1125.31) 214.5,1125.81 214.5,1340.36 327.18,1453.03 702.18,1453.03 754.96,1505.81 854.5,1505.81 v1(875,1485.31)
SPI4_MOSI/PE6: SPI2.3 U9.B3 | length 1384.5
  Top Layer w5: SPI2.3@159,930.15 169.83,930.15 205,965.31 205,1090 230.5,1115.5 230.5,1154.81 v1(230,1155.31) ; v1(820,1490.31) 840.5,1510.81 1031.35,1510.81 1059.68,1482.49 1059.68,1466.22 U9.B3@1071.18,1454.72
  PWR w5: v1(230,1155.31) 230,1329.46 260.86,1360.31 623.6,1360.31 753.6,1490.31 v1(820,1490.31)
SPI4_NSS/PE4: SPI2.1 U9.B1 | length 1268.7
  Top Layer w5: SPI2.1@159,1028.57 168.26,1028.57 160,1036.83 160,1115.31 v1(195,1150.31) ; v1(895,1470.31) 985.86,1470.31 1001.45,1454.72 U9.B1@1020,1454.72
  PWR w5: v1(195,1150.31) 195,1335 323.03,1463.03 698.03,1463.03 750.81,1515.81 866.42,1515.81 895,1487.24 v1(895,1470.31)
SPI5_MISO/PF8: SPI3.5 U9.L3 | length 1647.6
  Top Layer w5: v1(1058.39,1237.21) U9.L3@1071.18,1224.41
  PWR w5: v1(445,90.31) 444.5,90.81 444.5,111.67 380,176.17 380,533.28 655,808.28 655,946.38 945.83,1237.21 v1(1058.39,1237.21)
  Bottom Layer w5: SPI3.5@423.15,190 423.15,112.17 v1(445,90.31)
SPI5_MOSI/PF9: SPI3.4 U9.L2 | length 1571.2
  Top Layer w5: v1(980,1220.31) 987.22,1220.31 1002.82,1235.91 1034.09,1235.91 U9.L2@1045.59,1224.41
  PWR w5: v1(460,110.31) 390,180.31 390,529.14 665,804.14 665,942.24 948.58,1225.81 974.5,1225.81 v1(980,1220.31)
  Bottom Layer w5: v1(460,110.31) 472.36,122.68 SPI3.4@472.36,190
SPI5_NSS/PF6: SPI3.6 U9.K2 | length 1648.8
  Top Layer w5: v1(1032.79,1262.8) U9.K2@1045.59,1250
  PWR w5: v1(420,90.31) 420,122.03 370,172.03 370,537.43 645,812.43 645,950.52 949.3,1254.81 1024.81,1254.81 v1(1032.79,1262.8)
  Bottom Layer w5: SPI3.6@373.94,190 373.94,136.38 v1(420,90.31)
SPI5_SCK/PF7: SPI3.3 U9.K1 | length 1588
  Top Layer w5: v1(955,1210.31) 955,1218.3 974.61,1237.91 990.68,1237.91 1002.76,1250 U9.K1@1020,1250
  PWR w5: v1(480,90.31) 475.5,94.81 475.5,119.5 400,195 400,525 675,800 675,933.6 951.72,1210.31 v1(955,1210.31)
  Bottom Layer w5: v1(480,90.31) 521.57,131.89 SPI3.3@521.57,190
SPI6_CLK/PG13: SPI4.3 U9.A8 | length 1408.1
  Top Layer w5: v1(1186.34,1493.11) U9.A8@1199.13,1480.31
  PWR w5: v1(252.5,882.81) 300,930.31 300,1135.31 310,1145.31 560,1145.31 605,1190.31 605,1222.89 806.93,1424.81 913.85,1424.81 979.03,1490 1134.91,1490 1147.3,1477.61 1167.17,1477.61 1182.67,1493.11 v1(1186.34,1493.11)
  Bottom Layer w5: SPI4.3@200,879.21 203.6,882.81 v1(252.5,882.81)
SPI6_MISO/PG12: SPI4.5 U9.B8 | length 1444.4
  Top Layer w5: U9.B8@1199.13,1454.72 v1(1211.93,1467.52)
  PWR w5: v1(255,975.31) 280,1000.31 280,1225.31 307.19,1252.5 606.33,1252.5 798.64,1444.81 905.56,1444.81 1006.25,1545.5 1155.87,1545.5 1211.93,1489.44 v1(1211.93,1467.52) v1@1212.21,1467.52
  Bottom Layer w5: SPI4.5@200,977.64 202.32,975.31 v1(255,975.31)
SPI6_MOSI/PG14: SPI4.4 U9.A7 | length 1368.4
  Top Layer w5: v1(1160.75,1493.11) U9.A7@1173.54,1480.31
  PWR w5: v1(255,930.31) 290,965.31 290,1139.46 305.86,1155.31 555,1155.31 595,1195.31 595,1227.03 802.78,1434.81 909.7,1434.81 1010.39,1535.5 1118.36,1535.5 v1(1160.75,1493.11)
  Bottom Layer w5: SPI4.4@200,928.43 201.89,930.31 v1(255,930.31)
SPI6_NSS/PG8: SPI4.6 U9.H14 | length 1651.6
  Top Layer w5: v1@1340,1340.31 1340,1313.86 U9.H14@1352.68,1301.18
  PWR w5: v1(255,1030.31) 270,1045.31 270,1229.46 303.04,1262.5 602.19,1262.5 794.5,1454.81 901.42,1454.81 1002.11,1555.5 1160.01,1555.5 1235,1480.51 1235,1415.31 1252.93,1397.38 1303.99,1397.38 1339.88,1361.49 v1(1339.88,1339.57)
  Bottom Layer w5: SPI4.6@200,1026.85 203.46,1030.31 v1(255,1030.31)
SWCLK/PA14: R47.2 U9.A14 | length 2583.9
  Top Layer w5: R47.2@499.98,282.71 485,297.7 485,320.31 510,345.31 530,345.31 v1(545,330.31) ; U9.A14@1352.68,1480.31 1352.68,1512.68 1430.81,1590.81 1478.33,1590.81 1560.26,1508.88 1560.26,895.06 v1(1570,885.31)
  PWR w5: v1(545,330.31) 560,345.31 1499.14,345.31 1560,406.17 1560,875.31 v1(1570,885.31)
SWDIO/PA13: R46.2 U9.A15 | length 2491.1
  Top Layer w5: R46.2@459.98,282.71 475,297.73 475,324.46 505.86,355.31 530,355.31 v1(547.5,372.81) ; U9.A15@1378.27,1480.31 1442.95,1545 1510,1545 1550,1505 1550,895.31 v1(1540,885.31)
  PWR w5: v1(547.5,372.81) 565,355.31 1495,355.31 1550,410.31 1550,875.31 v1(1540,885.31)
TIM1_CH1/PE9: JP2.1 U9.P9 | length 3342.4
  Top Layer w5: v1(1211.93,1160.43) U9.P9@1224.72,1147.64
  GND w5: v1(475,830.31) 550.81,754.5 1010.76,754.5 1095,838.74 1095,995 1174.5,1074.5 1174.5,1100.88 1211.93,1138.31 v1(1211.93,1160.43)
  PWR w5: JP2.1@375.59,2462.64 328.23,2510 246.83,2510 235,2498.17 235,2280.86 50,2095.86 50,944.14 153.33,840.81 464.5,840.81 v1(475,830.31)
TIM1_CH2/PE11: JP3.1 U9.P10 | length 3656.6
  Top Layer w5: v1(1237.52,1134.84) U9.P10@1250.31,1147.64
  GND w5: v1(440,825.31) 520.81,744.5 1019.5,744.5 1105,830 1105,985 1184.5,1064.5 1184.5,1096.74 1220.19,1132.42 1235.1,1132.42 v1(1237.52,1134.84)
  PWR w5: JP3.1@275.59,2849.46 330,2795.05 330,2545 305,2520 242.68,2520 225,2502.32 225,2285 40,2100 40,940 149.5,830.5 434.81,830.5 v1(440,825.31)
TIM1_CH3/PE13: JP4.1 U9.N11 | length 3384.5
  Top Layer w5: v1(1240,1055) 1241.67,1056.67 1241.67,1066.67 1289.05,1114.05 1289.05,1160.08 U9.N11@1275.91,1173.23
  PWR w5: v1(1240,1055) 1280,1015 1527.43,1015 1711.93,830.5 2224.64,830.5 2245,850.86 2245,904.14 2245,2125 1962.91,2407.09 1962.91,2804.49 JP4.1@2007.87,2849.46
TIM1_CH4/PE14: JP5.1 U9.P11 | length 2927.1
  Top Layer w5: v1(1235,1090) 1263.11,1118.11 v1(1263.11,1134.84) U9.P11@1275.91,1147.64
  PWR w5: v1(1235,1090) 1300,1025 1531.57,1025 1716.07,840.5 2220.5,840.5 2235,855 2235,2120 1907.87,2447.13 JP5.1@1907.87,2462.64
TIM2_CH1/PA15: PWM_L1.1 U9.A13 | length 1605.1
  Top Layer w5: v1(490,1550.31) 485,1545.31 485,960 PWM_L1.1@540,905 ; U9.A13@1327.09,1480.31 1327.09,1502.4 v1(1330,1505.31)
  PWR w5: v1(490,1550.31) 505,1565.31 898.94,1565.31 944.44,1610.81 1170.24,1610.81 1275.74,1505.31 v1(1330,1505.31)
TIM2_CH2/PB3: PWM_L1.4 U9.A10 | length 1404
  Top Layer w5: v1(512.5,1547.81) 495,1530.31 495,1050 PWM_L1.4@540,1005 ; U9.A10@1250.31,1480.31 v1(1263.11,1493.11)
  PWR w5: v1(512.5,1547.81) 520,1555.31 903.08,1555.31 948.58,1600.81 1155.41,1600.81 v1(1263.11,1493.11)
TIM2_CH3/PA2: PWM_L1.10 U9.P2 | length 571.3
  Top Layer w5: PWM_L1.10@540,1205 545.31,1205 640.77,1109.55 1025.18,1109.55 1034.09,1118.46 1034.09,1136.14 U9.P2@1045.59,1147.64
TIM2_CH4/PA3: PWM_L1.7 U9.R2 | length 523.4
  Top Layer w5: PWM_L1.7@540,1105 545.45,1099.55 1033.7,1099.55 1045.59,1111.44 U9.R2@1045.59,1122.05
TIM4_CH1/PD12: PWM_R1.3 U9.N13 | length 574
  Top Layer w5: U9.N13@1327.09,1173.23 v1(1339.88,1160.43)
  PWR w5: v1(1339.88,1160.43) 1345.5,1154.81 1510.19,1154.81 1760,905 PWM_R1.3@1790,905
TIM4_CH2/PD13: PWM_R1.6 U9.M15 | length 551.7
  Top Layer w5: U9.M15@1378.27,1198.82 1401.5,1198.82 v1(1405,1195.31)
  PWR w5: v1(1405,1195.31) 1405,1183.39 1423.58,1164.81 1700.5,1164.81 1745,1120.31 1745,1030.31 1770.31,1005 PWM_R1.6@1790,1005
TIM4_CH3/PD14: PWM_R1.9 U9.M14 | length 476.6
  Top Layer w5: U9.M14@1352.68,1198.82 1366.77,1184.73 1393.67,1184.73 1398.58,1179.81 1429.5,1179.81 v1(1430,1180.31)
  PWR w5: v1(1430,1180.31) 1714.68,1180.31 PWM_R1.9@1790,1105
TIM4_CH4/PD15: PWM_R1.12 U9.L14 | length 445.4
  Top Layer w5: U9.L14@1352.68,1224.41 1364.18,1212.91 1427.41,1212.91 v1(1435,1205.31)
  PWR w5: v1(1435,1205.31) 1435.31,1205 PWM_R1.12@1790,1205
TIM5_CH1/PH10: PWM_R1.15 U9.L13 | length 563.6
  Top Layer w5: U9.L13@1327.09,1224.41 v1(1339.88,1211.61)
  PWR w5: v1(1339.88,1211.61) 1339.88,1263.77 1412.65,1336.54 1692.06,1336.54 1723.6,1305 PWM_R1.15@1790,1305
TIM5_CH2/PH11: PWM_R1.18 U9.L12 | length 597.8
  Top Layer w5: U9.L12@1301.5,1224.41 v1(1314.29,1211.61)
  PWR w5: v1(1314.29,1211.61) 1329.88,1227.2 1329.88,1267.91 1408.51,1346.54 1684.51,1346.54 1742.97,1405 PWM_R1.18@1790,1405
TIM5_CH3/PH12: PWM_R1.21 U9.K12 | length 645.4
  Top Layer w5: U9.K12@1301.5,1250 v1(1314.29,1237.2)
  PWR w5: v1(1314.29,1237.2) 1314.29,1266.47 1405.14,1357.31 1681.14,1357.31 1745,1421.17 1745,1461.41 1788.59,1505 PWM_R1.21@1790,1505
TIM5_CH4/PI0: PWM_R1.24 U9.E14 | length 623.8
  Top Layer w5: U9.E14@1352.68,1377.95 v1(1365.47,1390.75)
  PWR w5: v1(1365.47,1390.75) 1388.91,1367.31 1677,1367.31 1735,1425.31 1735,1550 PWM_R1.24@1790,1605
TIM8_CH1/PI5: PWM_L1.13 U9.C4 | length 611.9
  Top Layer w5: v1(1083.98,1416.34) U9.C4@1096.77,1429.13
  Bottom Layer w5: PWM_L1.13@540,1305 655.81,1420.81 1054.5,1420.81 1058.98,1416.34 v1(1083.98,1416.34)
TIM8_CH2/PI6: PWM_L1.16 U9.C3 | length 550.5
  Top Layer w5: PWM_L1.16@540,1405 560,1425 749.25,1425 749.44,1424.81 949.31,1424.81 957.47,1416.66 1058.7,1416.66 1070,1427.95 1070,1430.31 U9.C3@1071.18,1429.13
TIM8_CH3/PI7: PWM_L1.19 U9.C2 | length 558.1
  Top Layer w5: PWM_L1.19@540,1505 610,1435 753.39,1435 753.58,1434.81 919.5,1434.81 945,1460.31 980,1460.31 997.09,1443.22 1031.5,1443.22 U9.C2@1045.59,1429.13
TIM8_CH4/PI2: PWM_L1.22 U9.C14 | length 1126.6
  Top Layer w5: PWM_L1.22@540,1605 599.69,1545.31 v1(915,1545.31) ; U9.C14@1352.68,1429.13 1364.18,1440.63 1364.18,1494.49 v1(1445,1575.31)
  Bottom Layer w5: v1(915,1545.31) 939.5,1569.81 1292.93,1569.81 1293.43,1570.31 1440,1570.31 v1(1445,1575.31)
TIM12_CH1/PH6: R12.1 U9.M11 | length 1339.5
  Top Layer w5: R12.1@460,795.75 604.25,795.75 670,730 1069.69,730 1180.5,840.81 1324.5,840.81 v1(1330,835.31) ; U9.M11@1275.91,1198.82 v1(1288.7,1186.02)
  Bottom Layer w5: v1(1288.7,1186.02) 1286.21,1183.54 1286.21,1172.09 1278.79,1164.66 1278.79,941.52 1330,890.31 v1(1330,835.31)
TIM12_CH2/PH9: U3.4 U9.M13 | length 294
  Top Layer w5: U9.M13@1327.09,1198.82 v1(1339.88,1186.02)
  Top Layer w10: U3.4@1395.12,982.6 1403.98,982.6 1409.8,976.77 1409.8,972.36 1412.44,969.72 v1(1412.44,967.56)
  Bottom Layer w5: v1(1339.88,1186.02) 1399,1126.91 1399,981 v1(1412.44,967.56)
UART4_RX/PA1: Q3.3 R10.1 U9.N2 | length 1299.8
  Top Layer w5: v1(1000,1195.31) 1009.59,1185.73 1033.09,1185.73 U9.N2@1045.59,1173.23
  Bottom Layer w5: Q3.3@935,192.44 935,199.51 1014.19,199.51 1090,275.31 1090,959.25 1007.29,1041.96 1007.29,1188.02 v1(1000,1195.31)
  Bottom Layer w10: R10.1@850,199.25 928.19,199.25 935,192.44 Q3.3@935,186
UART7_RX/PE7: U9.R8 USART3.2 | length 1234.8
  Top Layer w5: U9.R8@1199.13,1122.05 1190,1112.91 1190,1050 v1(1200,1040)
  PWR w5: v1(1200,1040) 1245,995 1519.14,995 1708.33,805.81 1834.19,805.81 v1(1835,805)
  Bottom Layer w5: v1(1835,805) 1885,755 1885,688.6 2068.6,505 USART3.2@2084.35,505
UART7_TX/PE8: U9.P8 USART3.1 | length 1211
  Top Layer w5: U9.P8@1199.13,1147.64 1212.97,1133.8 1212.97,1067.03 v1(1215,1065)
  PWR w5: v1(1215,1065) 1215,1045 1255,1005 1523.28,1005 1707.78,820.5 1844.5,820.5 1860,805 v1(1865,805)
  Bottom Layer w5: v1(1865,805) 1865,800 1895,770 1895,725.31 2066.1,554.21 USART3.1@2084.35,554.21
UART8_RX/PE0: U9.A4 USART6.2 | length 1154.6
  Top Layer w5: v1(1080,1520) 1096.77,1503.23 U9.A4@1096.77,1480.31
  Bottom Layer w5: v1(1080,1520) 1108.2,1520 1134.55,1546.35 1467.75,1546.35 1486.72,1565.31 1673.28,1565.31 1688.28,1550.31 1997.72,1550.31 2040,1508.03 2040,1458.75 2068.6,1430.15 USART6.2@2084.35,1430.15
UART8_TX/PE1: U9.A3 USART6.1 | length 1158.4
  Top Layer w5: v1(1050,1520) 1071.18,1498.82 U9.A3@1071.18,1480.31
  Bottom Layer w5: v1(1050,1520) 1058.08,1520 1094.43,1556.35 1463.6,1556.35 1482.57,1575.31 1677.43,1575.31 1692.43,1560.31 2009.69,1560.31 2055.35,1514.65 2055.35,1492.61 2068.6,1479.36 USART6.1@2084.35,1479.36
USART1_RX/PA10: U9.D15 USART1.3 | length 1341.9
  Top Layer w5: U9.D15@1378.27,1403.54 v1(1403.23,1403.54) ; v1(1780,765.31) 1974.14,765.31 2060,851.17 2060,960.31 2113.75,1014.06 USART1.3@2123.72,1014.06
  Bottom Layer w5: v1(1403.23,1403.54) 1423.69,1403.54 1505,1322.24 1505,1161.06 1700.5,965.56 1700.5,861.74 1780,782.24 v1(1780,765.31)
USART1_TX/PA9: U9.E15 USART1.4 | length 1354.4
  Top Layer w5: U9.E15@1378.27,1377.95 1417.64,1377.95 v1(1422.5,1382.81) ; v1(1760,780.31) 1760.5,780.81 1975.5,780.81 2050,855.31 2050,1000.31 2112.96,1063.28 USART1.4@2123.72,1063.28
  Bottom Layer w5: v1(1422.5,1382.81) 1495,1310.31 1495,1156.92 1690.5,961.42 1690.5,849.81 v1(1760,780.31)
USART2_RX/PD6: U9.B11 USART4.3 | length 986.3
  Top Layer w5: v1(1263.11,1467.52) U9.B11@1275.91,1454.72 ; v1(1970,1450) 2089.81,1450 2113.87,1474.06 USART4.3@2123.72,1474.06
  Bottom Layer w5: v1(1263.11,1467.52) 1278.7,1483.11 1278.7,1513.16 1301.89,1536.35 1471.89,1536.35 1490.86,1555.31 1669.14,1555.31 1758.64,1465.81 1954.19,1465.81 v1(1970,1450)
USART2_TX/PD5: U9.C11 USART4.4 | length 1030.7
  Top Layer w5: U9.C11@1275.91,1429.13 v1(1288.7,1416.34) ; v1(1945,1450) 1960.81,1465.81 2055.5,1465.81 2103.56,1513.87 2114.31,1513.87 USART4.4@2123.72,1523.28
  Bottom Layer w5: v1(1288.7,1416.34) 1288.7,1509.02 1306.03,1526.35 1476.03,1526.35 1495,1545.31 1665,1545.31 1760.31,1450 v1(1945,1450)
USART3_RX/PD9: U9.P14 USART5.3 | length 1121.3
  Top Layer w5: U9.P14@1352.68,1147.64 1365,1135.31 1394.69,1135.31 1435,1095 1435,980 1455,960 1455,900.31 1504.22,851.09 1625.08,851.09 1911.17,565 2107.78,565 USART5.3@2123.72,549.06
USART3_TX/PD8: U9.P15 USART5.4 | length 1084.7
  Top Layer w5: U9.P15@1378.27,1147.64 1379.22,1146.68 1385.03,1146.68 1386.4,1145.31 1398.83,1145.31 1445,1099.14 1445,985 1465,965 1465,907.31 1511.22,861.09 1629.22,861.09 1905.31,585 2110.44,585 USART5.4@2123.72,598.28
USART6_RX/PC7: U9.G15 USART2.2 | length 1056
  Top Layer w5: U9.G15@1378.27,1326.77 1418.12,1326.77 v1(1423.85,1321.04)
  PWR w5: v1(1423.85,1321.04) 1428.12,1325.31 1689.14,1325.31 1759.14,1255.31 v1(2055,1255.31)
  Bottom Layer w5: v1(2055,1255.31) 2069.05,1241.26 2069.05,1089.37 2130,1028.42 2130,998.33 2100.09,968.43 USART2.2@2084.35,968.43
USART6_TX/PC6: U9.H15 USART2.1 | length 943.1
  Top Layer w5: U9.H15@1378.27,1301.18 1382.4,1305.31 v1(1405,1305.31)
  PWR w5: v1(1405,1305.31) 1435,1305.31 1445,1315.31 1685,1315.31 1755,1245.31 2025,1245.31 v1(2035,1235.31)
  Bottom Layer w5: v1(2035,1235.31) 2055.35,1214.96 2055.35,1030.89 2068.6,1017.64 USART2.1@2084.35,1017.64
USB_DM: R8.2 USB1.A7 USB1.B7 | length 226
  Top Layer w10: USB1.B7@1874.25,300.63 1874.25,230.6 1882.54,222.31 1912,222.31 v1(1930,240.31) 1913.62,256.69 USB1.A7@1913.62,300.63
  Bottom Layer w10: R8.2@1930,218.03 v1(1930,240.31)
USB_DP: R9.2 USB1.A6 USB1.B6 | length 217.1
  Top Layer w10: v1(1896.97,243.35) 1893.94,246.38 USB1.A6@1893.94,300.63 1893.94,344.25 1900,350.31 1925,350.31 1933.31,342.01 USB1.B6@1933.31,300.63
  Bottom Layer w10: R9.2@1890,218.03 1896.97,225 v1(1896.97,243.35)
USB_FS_DM/PA11: R8.1 U9.C15 | length 1664.4
  Top Layer w5: U9.C15@1378.27,1429.13 1386.06,1436.93 1428.39,1436.93 v1(1435,1430.31)
  Bottom Layer w5: v1@1429.38,1430.31 v1(1435,1430.31) 1449.69,1430.31 1530,1350 1530,1170 1720,980 1720,875 1855,740 1855,145 1875,125 1905,125 1917.93,137.93 1917.93,172.49 R8.1@1930,184.56
USB_FS_DP/PA12: R9.1 U9.B15 | length 1653.5
  Top Layer w5: U9.B15@1378.27,1454.72 1386.06,1446.93 1431.61,1446.93 v1(1440,1455.31)
  Bottom Layer w5: v1(1440,1455.31) 1444.22,1455.31 1540,1359.53 1540,1174.14 1730,984.14 1730,879.14 1865,744.14 1865,149.14 1879.14,135 1900,135 1907.07,142.07 1907.07,167.49 R9.1@1890,184.56
VCC3V3_OLED: C30.2 C34.2 OLED1.1 U8.5 | length 295.8
  Top Layer w10: U8.5@1202.4,470.94 1202.4,393.92 C30.2@1206.32,390 1207.4,388.92 C34.2@1207.4,310 1207.4,255.82 1251.82,211.4 OLED1.1@1251.82,195.65